# Altium PCB Soldermask_new.PcbDoc (part 1 of 4)
Units mm, origin at the board's own origin, x right, y up, seen from the top; angles counter-clockwise.
Board outline 56.52 x 96.27 mm, 2 copper layers (Top Layer, Bottom Layer); 83 components, 70 nets, 284 pads, 137 vias.
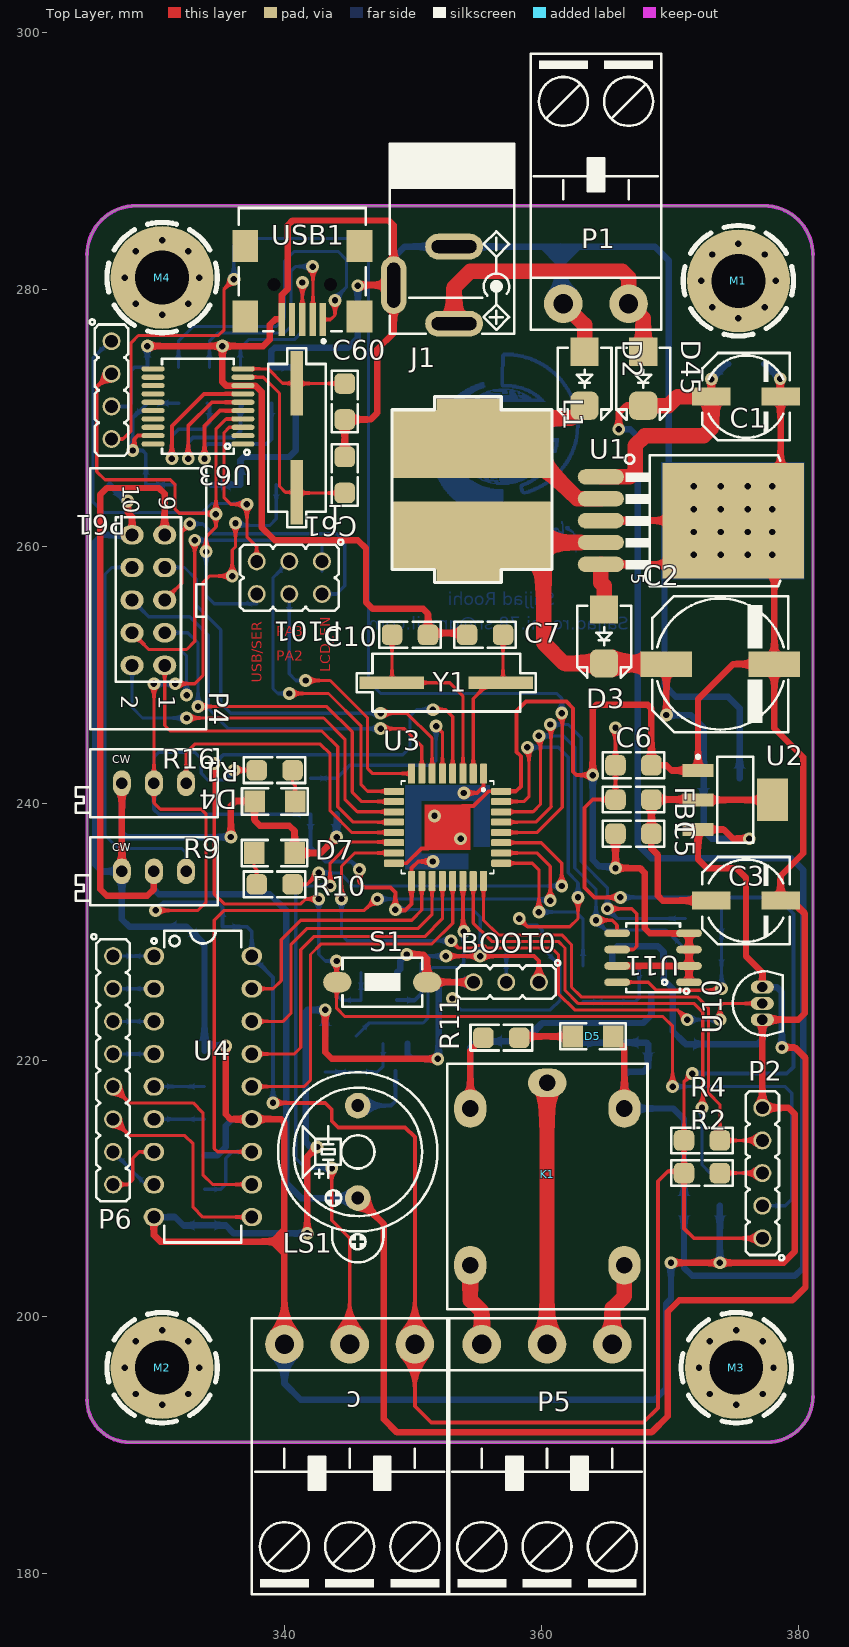
[diagram p0: Top Layer view]
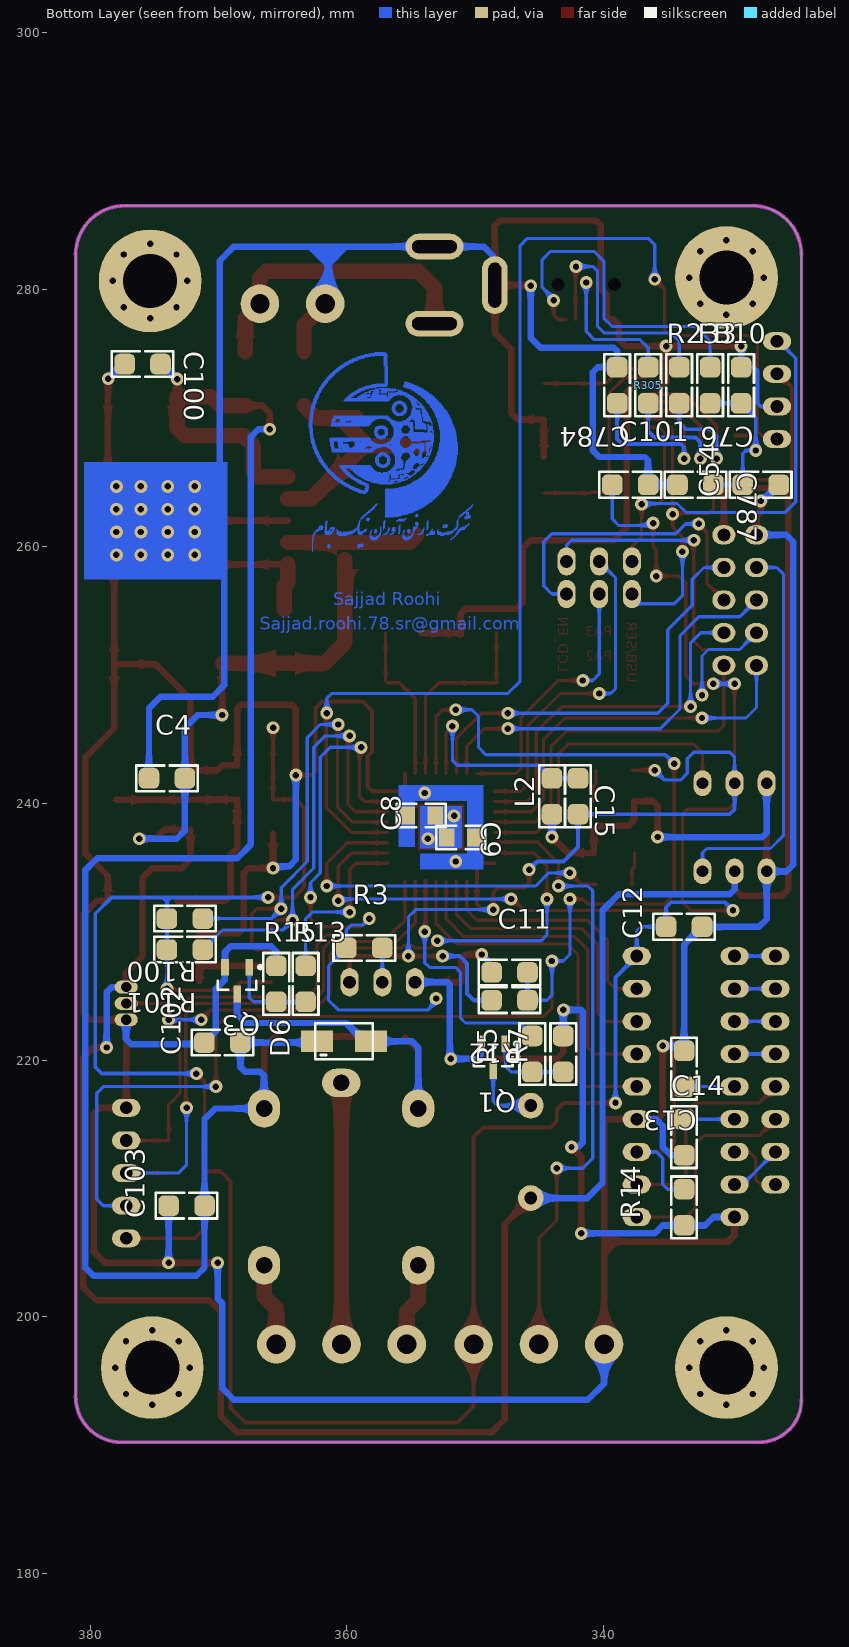
[diagram p1: Bottom Layer view, seen from below]

## Layer stack, top to bottom
Top Solder: solder mask 0.0102, Solder Resist, Dk 3.5
Top Layer: signal copper 0.0356
Dielectric 1: dielectric 0.32, FR-4, Dk 4.8
Bottom Layer: signal copper 0.0356
Bottom Solder: solder mask 0.0102, Solder Resist, Dk 3.5

## Board outline
324.612,193.548 ccw(c327.914,193.548) 327.914,190.246 377.571,190.246 ccw(c377.571,193.802) 381.127,193.802 381.127,282.702 ccw(c377.317,282.702) 377.317,286.512 328.422,286.512 ccw(c328.422,282.702) 324.612,282.702

## Design rules (kind name [scope] priority, off if disabled: settings)
Clearance [All] p1: gap=0.2
PolygonConnect [All] p1: connectstyle=Direct reliefconductorwidth=0.254 reliefentries=4 polygonreliefangle="90 Angle" airgapwidth=0.254
RoutingVias [All] p1: holewidth=0.5 width=1 viastyle="Through Hole" minholewidth=0.5 minwidth=1 maxholewidth=0.5 maxwidth=1
SolderMaskExpansion [All] p1: expansion=0.102
UnpouredPolygon [All] p1: allowunpoured=FALSE
Width [All] p1: maxlimit=1.2 minlimit=0.25 preferedwidth=0.5
29 further rules are at their usual default settings.

## Components (designator, comment, footprint, x,y, rotation, side; value= is the part's Value field where it differs from the comment)
1 "12Mhz" xtal_smd 340.995,268.478 r270 top
BOOT0 "Header 3" HDR_M_1x3 357.251,226.06 r180 top
c "Header 3" mstbf_3 345.059,197.866 r180 top
C1 "100uF" C_EL_6_4 375.92,271.653 r0 top
C2 "1000uF" C_EL_10_10 373.92,250.825 r0 top
C3 "100uF" C_EL_6_4 375.92,232.41 r0 top
C4 "100nF" c1206s 374.015,241.935 r180 bottom
C5 "100nF" c1206s 367.157,237.617 r0 top
C6 "100nF" c1206s 367.157,242.951 r180 top
C7 "18pF" c1206s 355.6,253.111 r180 top
C8 "Cap" smd_805 354.203,239.014 r90 bottom
C9 "Cap" smd_805 351.155,237.363 r270 bottom
C10 "18pF" c1206s 349.758,253.111 r0 top
C11 "100nF" c1206s 347.345,226.822 r180 bottom
C12 "Cap" c1206s 333.756,230.378 r0 bottom
C13 "Cap" c1206s 333.756,219.329 r270 bottom
C14 "Cap" c1206s 333.756,213.995 r90 bottom
C15 "Cap" c1206s 344.043,240.538 r270 bottom
C54 "100nF" c1206s 327.787,264.795 r0 bottom
C60 "Cap" c1206s 344.678,271.272 r90 top
C61 "Cap" c1206s 344.678,265.557 r270 top
C76 "47nF" c1206s 329.311,272.542 r270 bottom
C100 "100nF" c1206s 375.92,274.193 r180 bottom
C101 "100nF" c1206s 337.947,264.795 r180 bottom
C102 "Cap" C1206s 369.697,221.361 r0 bottom
C103 "Cap" C1206s 372.491,208.661 r0 bottom
C784 "100nF" c1206s 338.963,272.542 r270 bottom
C787 "10nF" c1206s 332.867,264.795 r180 bottom
D2 "SM5822" D_SMB 363.347,273.05 r270 top
D3 "SMBJ 5V" D_SMB 364.871,252.984 r270 top
D4 "LED1" led_1206 339.217,240.157 r90 top
D5 "LED0" LED_1206 363.982,221.869 r90 top
D6 "1N4148" tvs 360.299,221.488 r90 bottom
D7 "LED1" led_1206 339.217,236.093 r270 top
D45 "SM5822" D_SMB 367.919,273.05 r270 top
FB1 "FERRIT" R1206s 367.157,240.284 r0 top
FB10 "FERRIT" c1206s 331.724,272.542 r90 bottom
J1 "DC_POWER_JACK" JAC_PWR2 353.187,277.337 r0 top
K1 "Relay" RELAY_12V 360.299,210.693 r270 top
L1 "100uH" INDUC_SMD 354.838,264.414 r270 top
L2 "Inductor" R1206s 342.011,240.538 r90 bottom
LS1 "BUZZER" bz_c12 345.694,212.852 r90 top
M1 "DNP/MH" scmh_m4 375.327,280.67 r0 top
M2 "DNP/MH" scmh_m4 330.454,196.051 r0 top
M3 "DNP/MH" scmh_m4 375.158,196.051 r0 top
M4 "DNP/MH" scmh_m4 330.454,280.924 r0 top
P1 "Header 2" mstbf_2 364.236,278.892 r0 top
P2 "Header 5" HDR_M_1x5 377.19,211.201 r90 top
P4 "Header 5X2" BOX_2X5 329.311,255.778 r270 top
P5 "Header 3" mstbf_3 360.426,197.866 r180 top
P6 "Header 8" HDR_M_1x8 326.644,219.202 r270 top
P61 "Header 4" HDR_M_1x4 326.517,272.161 r270 top
P101 "Header 3X2" HDR_M_2x3 340.36,257.556 r180 top
Q1 "BC817" SOT23 348.615,220.345 r0 bottom
Q3 "BC817" SOT23 368.554,226.314 r0 bottom
R1 "Res1" R1206s 339.217,242.57 r180 top
R2 "Res1" R1206s 372.491,211.201 r0 top
R3 "Res1" R1206s 358.648,228.727 r180 bottom
R4 "Res1" R1206s 372.491,213.741 r0 top
R5 "Res1" R1206s 345.567,220.472 r90 bottom
R7 "Res1" R1206s 343.154,220.472 r90 bottom
R9 "RPot" pot_3296x 329.819,234.696 r0 top
R10 "Res1" R1206s 339.217,233.68 r0 top
R11 "Res1" R1206s 356.87,221.742 r180 top
R12 "10K" R1206s 347.345,224.663 r0 bottom
R13 "Res1" R1206s 363.22,225.933 r90 bottom
R14 "Res1" R1206s 333.756,208.534 r90 bottom
R15 "Res1" R1206s 365.506,225.933 r90 bottom
R16 "RPot" pot_3296x 329.819,241.554 r0 top
R100 "4.7K" R1206s 372.618,231.013 r0 bottom
R101 "4.7K" R1206s 372.618,228.6 r0 bottom
R233 "Res1" R1206 334.137,272.542 r90 bottom
R305 "Res1" R1206 336.55,272.542 r90 bottom
S1 "SW-PB" swpbs_spst_6x3x5 347.599,226.06 r180 top
U1 "LM2576HVT-5.0" D2PAK_5 364.617,262.001 r270 top
U2 "AMS1117-3.3" SOT223 375.031,240.284 r270 top
U3 "STM32F030K6T6" pcbcomponent_1 348.996,234.569 r0 top
U4 "74C922" DIP_18 333.629,217.932 r0 top
U10 "LM35" TO92_3 377.19,224.409 r90 top
U11 "24C512" so_8 368.681,227.965 r180 top
U63 "CH340T" SOG65_20_W 333.248,270.891 r180 top
USB1 "MICRO_USB" MINI_USB 341.503,280.416 r0 top
Y1 "8Mhz" xtal_smd 352.552,249.428 r0 top

## Footprints (in the part's own frame and the unit in brackets; to place one, negate y for a bottom-side part, rotate by r counter-clockwise, add the part's x,y. Pads: shape width x height; smd on the part's side, far side on the other; paste and mask are expansions set on the pad)
BOX_2X5 [mm]
  oval 1.5x1.8 hole 1: 1(5.047,1.346) 2(5.047,-1.194) 3(2.507,1.346) 4(2.507,-1.194) 5(-0.033,1.346) 6(-0.033,-1.194) 7(-2.573,1.346) 8(-2.573,-1.194) 9(-5.113,1.346) 10(-5.113,-1.194)
  silkscreen extent -10.29,-4.45 10.03,4.57, body extent -10.41,-4.57 10.16,4.7, height 8
bz_c12 [mm] "BUZZER 12mm DIA, 8.5mm Height , 7.62mm pitch"
  round 2 hole 1: 1(-3.6,0) 2(3.6,0)
  silkscreen extent -8.6,-6.2 6.2,6.2, body extent -6,-6 6,6, height 9.5
c1206s [mm] "CHIP Capacitor, 3.2X1.6mm, 1206, soldered"
  rrect50% 1.6x1.6 smd paste-5 mask+0.075: 1(-1.4,0) 2(1.4,0)
  Top Layer pour cut-out: -0.8,1 -0.8,-1 0.8,-1 0.8,1
  silkscreen extent -2.4,-1 2.4,1, body extent -2.27,-0.8 2.27,0.8, height 1.25
C1206s [mm] "CHIP Capacitor, 3.2X1.6mm, 1206, soldered"
  rrect50% 1.6x1.6 smd paste-5 mask+0.075: 1(-1.4,0) 2(1.4,0)
  Top Layer pour cut-out: -0.8,1 -0.8,-1 0.8,-1 0.8,1
  silkscreen extent -2.4,-1 2.4,1, body extent -2.27,-0.8 2.27,0.8, height 1.25
C_EL_6_4 [mm] "Electrolytic Cap, D: 6.3mm L: 3.9mm, Size D"
  rect 3x1.4 smd: 1(-2.7,0) 2(2.7,0)
  Top Layer pour cut-out: 1.905,3.175 1.905,-3.175 -1.905,-3.175 -1.905,3.175
  silkscreen extent -3.4,-3.4 3.4,3.4, body extent -3.59,-3.3 3.41,3.3, height 3.91
C_EL_10_10 [mm] "Electrolytic Cap, 10.3mm, L: 10mm"
  rect 4x2 smd: 1(-4.2,0) 2(4.2,0)
  Top Layer pour cut-out: -3.556,5.08 -3.556,-5.08 3.556,-5.08 3.556,5.08
  silkscreen extent -5.3,-5.3 5.3,5.3, body extent -5.9,-5.25 5.9,5.25, height 10.5
D2PAK_5 [mm] "TO-263-5L, D2PAK-5, DDPAK, FMG170_5_S1000"
  oval 1.2x3.6 smd: 1(-3.404,0) 2(-1.702,0) 3(0,0) 4(1.702,0) 5(3.404,0)
  rect 9x11 smd paste-6: 6(0,10.3)
  silkscreen extent -5.14,1.88 5.1,13.96, body extent -5.08,-0.84 5.08,13.39, height 4.87
D_SMB [mm] "SMB Molded Diode, 2-Leads, Body 4.3x3.5mm"
  rect 2.2x2.2 smd paste-0.1: 1(-2.1,0)
  rrect50% 2.2x2.2 smd paste-0.1: 2(2.1,0)
  Top Layer pour cut-out: -1.524,2.1 -1.524,-2.1 1.524,-2.1 1.524,2.1
  silkscreen extent -2.4,-2.1 3.2,2.1, body extent -2.75,-1.95 2.75,1.95, height 2.45
DIP_18 [mm] "DIP, pitch 2.54mm, 300mil Width"
  oval 1.6x1.4 / inner round 1.4 / far side oval 2.2x1.4 hole 1: 1(-3.81,10.16) 2(-3.81,7.62) 3(-3.81,5.08) 4(-3.81,2.54) 5(-3.81,0) 6(-3.81,-2.54) 7(-3.81,-5.08) 8(-3.81,-7.62) 9(-3.81,-10.16) 10(3.81,-10.16) 11(3.81,-7.62) 12(3.81,-5.08) 13(3.81,-2.54) 14(3.81,0) 15(3.81,2.54) 16(3.81,5.08) 17(3.81,7.62) 18(3.81,10.16)
  silkscreen extent -4,-12.14 3,12.14, body extent -3.93,-11.5 3.94,11.5, height 5.08
HDR_M_1x3 [mm] "Connector; Header; 3 Position"
  round 1.4 / inner round 1.4 / far side oval 1.4x2.2 hole 1 mask+0.1: 1(-2.54,0) 2(0,0) 3(2.54,0)
  silkscreen extent -4.2,-1.7 3.84,1.3, body extent -3.78,-1.27 3.84,1.27, height 8.54
HDR_M_1x4 [mm] "Connector; Header; 4 Position"
  round 1.4 / inner round 1.4 / far side oval 1.4x2.2 hole 1 mask+0.1: 1(-3.81,0) 2(-1.27,0) 3(1.27,0) 4(3.81,0)
  silkscreen extent -5.5,-1.7 5.11,1.3, body extent -5.08,-1.27 5.08,1.27, height 8.54
HDR_M_1x5 [mm] "Connector; Header; 5 Position"
  round 1.4 / inner round 1.4 / far side oval 1.4x2.2 hole 1 mask+0.1: 1(-5.08,0) 2(-2.54,0) 3(0,0) 4(2.54,0) 5(5.08,0)
  silkscreen extent -6.8,-1.7 6.38,1.3, body extent -6.35,-1.27 6.35,1.27, height 8.54
HDR_M_1x8 [mm] "Connector; Header; 8 Position"
  round 1.4 / inner round 1.4 / far side oval 1.4x2.2 hole 1 mask+0.1: 1(-8.89,0) 2(-6.35,0) 3(-3.81,0) 4(-1.27,0) 5(1.27,0) 6(3.81,0) 7(6.35,0) 8(8.89,0)
  silkscreen extent -10.6,-1.7 10.19,1.3, body extent -10.16,-1.3 10.16,1.19, height 8.54
HDR_M_2x3 [mm] "Connector; Header; 3x2 Position"
  round 1.4 / inner round 1.4 / far side oval 1.4x2.2 hole 1 mask+0.1: 1(-2.54,-1.27) 2(-2.54,1.27) 3(0,-1.27) 4(0,1.27) 5(2.54,-1.27) 6(2.54,1.27)
  silkscreen extent -4.2,-2.97 3.84,2.57, body extent -3.81,-2.6 3.81,2.48, height 8.38
INDUC_SMD [mm]
  rect 2x5 smd: 1(-6.096,-0.508) 2(6.096,-0.508)
  rect 5.3x12.4 smd: 1(-3.556,-0.254) 2(3.556,-0.254)
  silkscreen extent -7.23,-6.48 7.24,5.97
JAC_PWR2 [mm] "DC POWER JACK, Power Jack KLDX-0202"
  oval 4.5x2 hole 1 slot 3.5 at 0 deg: 1(0,0) 2(0,6)
  oval 2x4.5 hole 1 slot 3.5 at 90 deg: 3(-4.7,3)
  silkscreen extent -5,-0.8 4.7,14, body extent -4.9,-0.65 4.5,13.85, height 10.8
led_1206 [mm]
  rect 1.7x1.6 smd: 1(-0.025,-1.6) 2(-0.025,1.563)
  Top Layer pour cut-out: 1.092,2.591 -1.143,2.591 -1.194,2.54 -1.194,-2.692 1.092,-2.692
  silkscreen extent -1.04,-2.57 0.99,2.54, body extent -0.81,-1.68 0.79,1.68, height 1.1
LED_1206 [mm]
  rect 1.7x1.6 smd: 1(-0.025,-1.6) 2(-0.025,1.563)
  Top Layer pour cut-out: 1.092,2.591 -1.143,2.591 -1.194,2.54 -1.194,-2.692 1.092,-2.692
  silkscreen extent -1.04,-2.57 0.99,2.54, body extent -0.81,-1.68 0.79,1.68, height 1.1
MINI_USB [mm]
  rect 0.5x2.6 smd mask+0.04: 1(1.468,-2.753) 2(0.668,-2.753) 3(-0.132,-2.753) 4(-0.932,-2.753) 5(-1.732,-2.753)
  rect 2x2.5 smd: 6(-4.582,-2.526) 7(-4.582,2.974) 8(4.318,-2.526) 9(4.318,2.974)
  round 0.6 hole 1 unplated: MH1(-2.332,-0.026) MH2(2.068,-0.026)
  silkscreen extent -5.08,-4.57 4.82,5.92, body extent -5.08,-3.38 4.82,5.87, height 3.93
mstbf_2 [mm] "PHOENIX MSTB 2, 5-G, 5.08mm pitch, 2pin"
  round 3 hole 1.5: 1(-2.54,0) 2(2.54,0)
  silkscreen extent -5.08,-2.03 5.08,19.47, body extent -5,-2 5,19.2, height 15
mstbf_3 [mm] "PHOENIX MSTB 2, 5-G, 5.08mm pitch, 3pin"
  round 3 hole 1.5: 1(-5.08,0) 2(0,0) 3(5.08,0)
  silkscreen extent -7.62,-2.03 7.62,19.47, body extent -7.5,-2 7.5,19.2, height 15
pcbcomponent_1 [mm]
  rrect25% 0.55x1.56 smd: 1(6.483,7.736) 2(5.683,7.736) 3(4.883,7.736) 4(4.083,7.736) 5(3.283,7.736) 6(2.483,7.736) 7(1.683,7.736) 8(0.883,7.736) 17(0.883,-0.624) 18(1.683,-0.624) 19(2.483,-0.624) 20(3.283,-0.624) 21(4.083,-0.624) 22(4.883,-0.624) 23(5.683,-0.624) 24(6.483,-0.624)
  rrect25% 1.56x0.55 smd: 9(-0.497,6.356) 10(-0.497,5.556) 11(-0.497,4.756) 12(-0.497,3.956) 13(-0.497,3.156) 14(-0.497,2.356) 15(-0.497,1.556) 16(-0.497,0.756) 25(7.863,0.756) 26(7.863,1.556) 27(7.863,2.356) 28(7.863,3.156) 29(7.863,3.956) 30(7.863,4.756) 31(7.863,5.556) 32(7.863,6.356)
  silkscreen extent 0.08,-0.04 7.28,7.16, body extent -0.82,-0.87 8.18,8.13, height 1.73
pot_3296x [mm] "POT, TRIM, 10.0X5.0mm, pitch: 2.5mm, MURATA, PV36X 3296X"
  oval 1.4x2 / inner round 1.2 / far side oval 1.4x2 hole 0.9: 1(-2.5,0) 2(0,0) 3(2.5,0)
  silkscreen extent -6.1,-2.64 4.95,2.64, body extent -6.1,-2.5 4.8,2.5, height 10
R1206 [mm] "CHIP RESISTOR 1/4 WATT, Body 3.2x1.6mm,1206, 3216"
  rrect50% 1.6x1.6 smd paste-5 mask+0.075: 1(-1.4,0) 2(1.4,0)
  Top Layer pour cut-out: -0.8,1 -0.8,-1 0.8,-1 0.8,1
  silkscreen extent -2.4,-1 2.4,1, body extent -1.67,-0.87 1.68,0.86, height 0.85
R1206s [mm] "CHIP RESISTOR 1/4 WATT, Body 3.2x1.6mm,1206, 3216, soldered"
  rrect50% 1.6x1.6 smd paste-5 mask+0.075: 1(-1.4,0) 2(1.4,0)
  Top Layer pour cut-out: -0.8,1 -0.8,-1 0.8,-1 0.8,1
  silkscreen extent -2.4,-1 2.4,1, body extent -2.27,-0.8 2.27,0.8, height 1.25
RELAY_12V [mm]
  oval 2.2x3 hole 1.3: 1(-7.533,0.151)
  oval 3x2.5 hole 1.3: 2(6.667,6.151) 3(6.667,-5.849) 4(-5.533,-5.849) 5(-5.533,6.151)
  silkscreen extent -9.02,-7.65 10.08,7.95, body extent -8.92,-7.62 10.18,7.88, height 15.3
scmh_m4 [mm] "SCREW mouting, M4, 4mm diameter and 8.0mm PanHead"
  round 8 / inner round 4.5 / far side round 8 hole 4.2 mask+0.1: 1(0,0)
  Top Layer pour cut-out: 0,4.5 -1.722,4.158 -3.182,3.182 -4.157,1.722 -4.5,0 -4.5,0 -4.157,-1.722 -3.182,-3.181 -1.722,-4.157 0,-4.499 0,-4.499 2.25,-3.896 3.897,-2.249 4.499,0 4.499,0 4.157,1.722 3.182,3.182 1.722,4.157 0,4.5
  Bottom Layer pour cut-out: 0,4.5 -1.722,4.158 -3.182,3.182 -4.157,1.722 -4.5,0 -4.5,0 -4.157,-1.722 -3.182,-3.181 -1.722,-4.157 0,-4.499 0,-4.499 2.25,-3.896 3.897,-2.249 4.499,0 4.499,0 4.157,1.722 3.182,3.182 1.722,4.157 0,4.5
  silkscreen extent -4.3,-4.3 4.3,4.3
smd_805 [mm]
  rect 1.4x1.2 smd: 1(0.025,1.118) 2(0.025,-1.067)
  Top Layer pour cut-out: -0.991,2.007 1.016,2.007 1.016,-1.956 1.041,-1.981 -0.991,-1.981
  silkscreen extent -0.89,-1.88 0.94,1.93, body extent -0.66,-1.07 0.71,1.14, height 1.1
so_8 [mm] "SOP-8, 5x3.9mm body 1.27mm pitch, SOT96-1, M08A, S8, SOIC8, VO8, MS-012AA(JEDEC), R-8, 8S2, VOG8"
  oval 2x0.6 smd: 1(-2.8,1.905) 2(-2.8,0.635) 3(-2.8,-0.635) 4(-2.8,-1.905) 5(2.8,-1.905) 6(2.8,-0.635) 7(2.8,0.635) 8(2.8,1.905)
  silkscreen extent -2.8,-2.7 2.1,2.8, body extent -3,-2.45 3,2.45, height 1.7
SOG65_20_W [mm] "SSOP20, TSSOP20, RU-20, RQ-20, DB, pitch: 0.65mm, 7X5.3mm, QSP, SOT339-1, SOT266-1, AT-260, TSSO6X6-G20, NP20, MO-153AC, MO-150AE, MO-137-AD, MO-152"
  oval 1.8x0.4 smd mask+0.075: 1(-3.5,2.925) 2(-3.5,2.275) 3(-3.5,1.625) 4(-3.5,0.975) 5(-3.5,0.325) 6(-3.5,-0.325) 7(-3.5,-0.975) 8(-3.5,-1.625) 9(-3.5,-2.275) 10(-3.5,-2.925) 11(3.5,-2.925) 12(3.5,-2.275) 13(3.5,-1.625) 14(3.5,-0.975) 15(3.5,-0.325) 16(3.5,0.325) 17(3.5,0.975) 18(3.5,1.625) 19(3.5,2.275) 20(3.5,2.925)
  silkscreen extent -4.01,-3.7 2.8,3.77, body extent -3.95,-3.66 3.95,3.67, height 1.98
SOT23 [mm]
  rect 0.6x1.3 smd: 1(-0.95,-0.923) 2(0.95,-0.923) 3(0,1.177)
  silkscreen extent -1.92,-1.05 1.5,0.83, body extent -1.5,-0.57 1.5,0.83, height 1.1
SOT223 [mm]
  rect 1x2.4 smd: 1(-2.269,-2.85) 2(0.031,-2.85) 3(2.331,-2.85)
  rect 3.3x2.4 smd: 2(0.031,2.95)
  silkscreen extent -3.44,-2.97 3.38,1.45, body extent -3.21,-3.44 3.27,3.54, height 1.64
swpbs_spst_6x3x5 [mm] "SWITCH, PUSHBUTTON, SMD, SPST, 6X3.5mm, SKQMBBE010, 50000 Cycles, 1.57N Force"
  oval 2.2x1.6 smd mask+0.1: 1(-3.5,0) 2(3.5,0)
  silkscreen extent -3.1,-1.9 3.1,1.9, body extent -3.65,-1.75 3.65,1.75, height 5
TO92_3 [mm] "TO-92, SOT54"
  oval 1x1.8 hole 0.8 mask+0.1: 1(-1.27,0) 2(0,0) 3(1.27,0)
  silkscreen extent -2.5,-1.59 2.5,2.3, body extent -2.38,-1.45 2.38,2.18, height 4.82
tvs [mm]
  rect 1.7x2.5 smd: 1(-0.025,-2.159) 2(-0.025,2.032)
  silkscreen extent -1.42,-2.32 1.38,2.18, body extent -1.5,-2.76 1.42,2.74, height 2.23
xtal_smd [mm]
  rect 5x1 smd: 1(-4.216,-0.051) 2(4.267,-0.051)
  silkscreen extent -6.93,-2.29 6.98,2.21, body extent -6.37,-2.44 6.43,2.39, height 4.3

## Part data
1 Y1: library part XTAL, "Crystal Oscillator"
BOOT0 c P5: "Header, 3-Pin"
C1 C2 C3: library part "Cap Pol1", "Polarized Capacitor (Radial)"
C4 C5 C6 C7 C10 C11 C54 C76 C100 C101 C784 C787: library part Cap, "Capacitor"
C8 C9 C12 C13 C14 C15 C60 C61 C102 C103: "Capacitor"
D2 D3 D45: library part "Diode 11DQ03", "Schottky Rectifier"
D4 D7: "Typical RED GaAs LED"
D5: "Typical INFRARED GaAs LED"
D6: library part Diode, "Default Diode"
FB1 FB10: library part "Fuse 1", "Fuse"
J1: library part CONN_PWR_JACKR2, "CONN, PWR JACK DC, PLUG DIAM 2.0MM RA THD"
K1: "SPDT Relay"
L1: library part Inductor, "Inductor"
LS1: library part Speaker, "Loudspeaker"
M1 M2 M3 M4: library part PSPMH3, "Plastic Spacer mouting, Hole 3mm"
P1: "Header, 2-Pin"
P2: "Header, 5-Pin"
P4: "Header, 5-Pin, Dual row"
P6: "Header, 8-Pin"
P61: "Header, 4-Pin"
P101: "Header, 3-Pin, Dual row"
Q1 Q3: library part 2N3904, "NPN General Purpose Amplifier"
R1 R2 R3 R4 R5 R7 R10 R11 R13 R14 R15 R233 R305: "Resistor"
R9 R16: "Potentiometer"
R12 R100 R101: library part Res1, "Resistor"
S1: "Switch"
U1: "SIMPLE SWITCHER; 3A Step-Down Voltage Regulator"
U2: library part LD1117DT33
U3: "ARMA® CortexA®-M0 STM32F0 Microcontroller IC 32-Bit 48MHz 32KB _32K x 8_ FLASH 32-LQFP _7x7_"
U4: library part Component_1
U10: library part TMP_LM35_TO92, "SENSOR, TEMP, ANALOG, -55~150oC, 4~20Vcc, Out 0mV + 10mV/oC"
U11: library part 24Cxx
U63: library part CH340T_SSOP20, "USB-UART"

## Via types
v1: diameter 1, hole 0.5, Top Layer to Bottom Layer, tented both sides, 102 vias
v2: diameter 0.8, hole 0.5, Top Layer to Bottom Layer, tented both sides, 32 vias
v3: diameter 1, hole 0.5, Top Layer to Bottom Layer, 3 vias

## Nets (pads, with @x,y where several pads share a name; then routed paths per layer and width w, separated by ;. In a path a pad name is that pad's centre, name@x,y a point inside that pad or via, vN(x,y) a via of type N, cw(c..) or ccw(c..) an arc to the next point about the centre after c; other vN are vias at no path point)
3V3: BOOT0.1 C6.2 C8.1 C9.1 C12.2 C101.1 c.1 FB1.1 L2.1 P2.1 R1.2 R2.1 R4.1 R12.2 R16.2 R100.2 R101.2 U3.1 U3.17 U4.18 U11.8 | length 306.1
  Top Layer w0.25: v1(329.819,249.301) R16.2@329.819,241.554 329.819,240.03 330.327,239.522 333.502,239.522 333.883,239.141 333.883,232.283 333.248,231.648 v1(329.946,231.648) ; v1(331.482,249.301) 332.994,249.301 333.629,249.936 333.629,257.175 334.137,257.683 v1(335.915,257.683) 335.915,259.715 336.169,259.969 v1(336.169,261.81) ; v1(336.042,242.57) R1.2@337.817,242.57 ; U11.8@365.881,226.06 368.3,226.06 368.925,225.435 373.898,225.435 v1(374.015,225.552) ; R4.1@371.091,213.741 371.091,218.31 v1(371.729,218.948)
  Top Layer w0.3: v1(339.09,216.662) 343.154,216.662 343.662,216.154 343.662,215.265 344.17,214.757 349.377,214.757 350.139,213.995 c.1@350.139,197.866 350.139,193.04 351.409,191.77 367.919,191.77 369.062,192.913 369.062,210.566 369.824,211.328 370.964,211.328 R2.1@371.091,211.201 ; v1(345.821,234.823) 345.821,233.807 346.202,233.426 348.234,233.426 348.615,233.045 v1(348.615,231.711) 348.678,231.648 349.377,231.648 349.879,232.15 U3.17@349.879,233.945 349.879,234.943 350.394,235.458 v1(351.536,235.458) ; v1(352.552,228.092) v1(355.219,228.092) 359.41,228.092 359.791,227.711 BOOT0.1@359.791,226.06 ; v1(353.949,240.792) 354.965,240.792 355.479,241.306 U3.1@355.479,242.305 ; v1(365.757,245.869) C6.2@365.757,242.951 FB1.1@365.757,240.284 363.982,240.284 363.347,239.649 363.347,233.426 364.109,232.664 v1(366.141,232.664) ; R4.1@371.091,213.741 R2.1@371.091,211.201 ; P2.1@377.19,206.121 371.856,206.121 371.091,206.886 R2.1@371.091,211.201
  Bottom Layer w0.25: R16.2@329.819,241.554 329.819,243.586 330.2,243.967 332.994,243.967 333.502,243.459 333.502,242.316 334.01,241.808 335.28,241.808 v1(336.042,242.57) ; v1(329.819,249.301) v1(331.482,249.301) ; v1(336.169,261.81) 336.359,261.62 338.836,261.62 339.347,262.131 C101.1@339.347,264.795 ; v1(348.615,231.711) 354.648,231.711 355.219,231.14 v1(355.219,228.092) ; v1(374.015,225.552) 374.015,225.304 374.018,225.301 R101.2@374.018,228.6 R100.2@374.018,231.013 374.018,232.661 374.015,232.664
  Bottom Layer w0.3: R16.2@329.819,241.554 329.819,239.522 330.203,239.138 L2.1@342.011,239.138 342.011,236.601 343.154,235.458 345.186,235.458 v1(345.821,234.823) ; v1(329.946,231.648) 330.581,232.283 334.772,232.283 335.156,231.899 C12.2@335.156,230.378 337.058,230.378 337.439,229.997 U4.18@337.439,228.092 339.09,226.441 v1(339.09,216.662) ; R12.2@348.745,224.663 350.139,224.663 350.647,225.171 350.647,227.52 351.219,228.092 v1(352.552,228.092) ; v1(366.141,232.664) 374.015,232.664 378.333,232.664 379.603,231.394 379.603,219.456 379.095,218.948 v1(371.729,218.948) ; P2.1@377.19,206.121 P2.1@377.268,206.199
3V3A: C15.1 L2.2 U3.5 | length 16.9
  Top Layer w0.25: v1(351.79,245.999) 352.279,245.51 U3.5@352.279,242.305
  Bottom Layer w0.25: L2.2@342.011,241.938 C15.1@344.043,241.938 345.056,242.951 351.409,242.951 351.79,243.332 v1(351.79,245.999)
5V0: C2.1 C4.2 D3.2 L1.2 LS1.1 P4.9 R9.2 U1.4 U2.3 U10.3 | length 237.8
  Top Layer w0.5: R9.2@329.819,234.696 329.819,233.299 329.311,232.791 326.136,232.791 325.628,233.299 325.628,264.033 326.136,264.541 330.2,264.541 330.657,264.084 P4.9@330.657,260.891 ; LS1.1@345.694,209.252 347.726,207.22 347.726,192.024 348.742,191.008 368.554,191.008 369.824,192.278 369.824,200.406 370.713,201.295 379.534,201.295 380.55,202.311 380.55,220.16 379.73,220.98 v1(378.714,220.98) ; v1(369.72,246.865) C2.1@369.72,250.825 ; v1(376.174,237.236) 374.904,237.236 374.187,237.953 U2.3@372.181,237.953 372.181,235.641 372.872,234.95 375.158,234.95 375.92,234.188 375.92,228.092 377.19,226.822 U10.3@377.19,225.679
  Top Layer w1.2: L1.2@354.584,260.858 355.143,260.299 U1.4@364.617,260.299 ; L1.2@360.172,258.953 360.172,252.476 361.764,250.884 D3.2@364.871,250.884 C2.1@369.661,250.884
  Bottom Layer w0.5: R9.2@329.819,234.696 329.819,233.299 330.2,232.918 338.836,232.918 340.106,231.648 340.106,210.439 341.293,209.252 LS1.1@345.694,209.252 ; v1(369.72,246.865) 371.625,246.865 372.615,245.875 C4.2@372.615,241.935 372.615,237.874 373.253,237.236 v1(376.174,237.236) ; U10.3@377.19,225.679 378.333,225.679 378.714,225.298 v1(378.714,220.98)
ANALOG0: R16.3 U3.13 | length 24.3
  Top Layer w0.25: R16.3@332.319,241.554 332.319,243.927 332.994,244.602 342.773,244.602 343.535,243.84 343.535,239.395 345.205,237.725 U3.13@348.499,237.725
ANALOG1: c.2 U3.14 | length 48.4
  Top Layer w0.25: v1(343.535,233.553) 343.535,235.33 345.187,236.982 U3.14@348.442,236.982 ; v1(343.662,211.582) 343.662,207.518 345.059,206.121 c.2@345.059,197.866
  Bottom Layer w0.25: v1(343.535,233.553) 341.249,233.553 340.868,233.172 340.868,212.344 341.63,211.582 v1(343.662,211.582)
ANALOG2: U3.15 U10.2 | length 48.9
  Top Layer w0.25: v1(344.424,232.537) 344.424,235.077 345.472,236.125 U3.15@348.499,236.125 ; v1@353.187,228.981 352.957,229.211 v1(352.957,229.292) 353.522,228.727 354.687,228.727 354.877,228.917 355.561,228.917 355.751,228.727 360.807,228.727 361.315,228.219 361.315,225.171 362.585,223.901 370.586,223.901 v1(371.348,223.139) ; v1(373.888,223.139) 373.888,224.155 374.142,224.409 U10.2@377.19,224.409 U10.2@377.19,224.415
  Bottom Layer w0.25: v1(344.424,232.537) 344.424,229.743 344.875,229.292 v1(352.957,229.292) v1@352.887,229.362 ; v1(371.348,223.139) v1(373.888,223.139)
BOOT: R3.1 U3.31 | length 45.1
  Top Layer w0.25: U3.31@356.859,240.125 358.616,240.125 359.029,240.538 359.029,244.221 v1(358.902,244.348) ; v1(358.267,231.013) 358.902,230.378 362.204,230.378 362.839,231.013 v1(362.839,232.664)
  Bottom Layer w0.25: v1(353.06,224.79) 353.06,224.536 353.695,223.901 360.68,223.901 361.442,224.663 361.442,227.333 R3.1@360.048,228.727 360.048,230.121 359.664,230.505 358.775,230.505 v1(358.267,231.013) ; v1(358.902,244.348) 360.553,244.348 361.315,244.348 362.077,243.586 362.077,234.569 362.839,233.807 v1(362.839,232.664)
BUZZER: R5.2 U3.22 | length 19.2
  Top Layer w0.3: U3.22@353.879,233.945 353.879,230.067 v1(353.949,229.997)
  Bottom Layer w0.25: R5.2@345.567,221.872 346.58,222.885 350.774,222.885 351.155,223.266 351.155,226.822 351.536,227.203 353.568,227.203 353.949,227.584 v1(353.949,229.997)
C1: P6.5 U4.11 | length 16.8
  Top Layer w0.25: P6.5@326.644,217.932 327.914,216.662 332.867,216.662 333.629,215.9 333.629,211.074 334.391,210.312 U4.11@337.439,210.312
C2: P6.6 U4.10 | length 16.9
  Top Layer w0.25: P6.6@326.644,215.392 327.914,214.122 332.232,214.122 332.867,213.487 332.867,208.534 333.629,207.772 U4.10@337.439,207.772
C3: P6.7 U4.8 | length 3.6
  Bottom Layer w0.25: P6.7@326.644,212.852 U4.8@329.184,210.312
C4: P6.8 U4.7 | length 5.2
  Top Layer w0.25: P6.8@326.644,210.312 327.787,210.312 328.168,210.693 328.168,212.344 328.676,212.852 U4.7@329.819,212.852
DA: R14.2 U3.26 U4.12 | length 60.7
  Top Layer w0.25: U4.12@337.439,212.852 334.772,212.852 334.518,213.106 334.518,230.886 335.28,231.648 346.202,231.648 347.091,232.537 v1(347.218,232.537) ; U3.26@356.859,236.125 359.632,236.125 360.679,235.078 v1(360.68,232.41)
  Bottom Layer w0.25: R14.2@333.756,209.934 335.029,209.934 335.407,210.312 335.407,212.344 335.915,212.852 U4.12@337.439,212.852 ; v1(347.218,232.537) 360.553,232.537 v1(360.68,232.41)
GND: BOOT0.3 C1.2 C2.2 C3.2 C4.1 C5.1 C6.1 C7.2 C8.2 C9.2 C10.2 C11.1 C12.1 C13.1 C14.1 C15.2 C54.1 C60.1 C61.1 C76.1 C100.1 C101.2 C102.2 C103.2 C784.1 C787.1 c.3 D2.1 D3.1 D4.2 D7.2 J1.2 J1.3 P1.1 P2.5 P4.10 P61.3 Q1.2 Q3.2 R7.2 R9.1 R14.1 R15.2 R16.1 S1.1 U1.3 U1.5 U1.6 U2.1 U3.16 U3.32 U4.9 U4.13 U10.1 U11.1 U11.2 U11.3 U11.4 U11.7 U63.8 USB1.5 | length 661.6
  Top Layer w0.3: U3.16@348.499,235.325 349.498,235.325 350.647,236.474 351.155,236.474 ; 353.822,239.776 354.711,239.776 355.86,240.925 U3.32@356.859,240.925 358.019,240.925 358.394,241.3 358.394,243.654 358.052,243.996 358.052,247.181 358.775,247.904 361.95,247.904 362.458,247.396 362.458,242.443 362.712,242.189 v1(363.982,242.189)
  Top Layer w0.5: R9.1@327.319,234.696 R16.1@327.319,241.554 ; v1(327.786,263.525) 327.786,262.637 328.117,262.306 P4.10@328.117,260.891 ; v1(329.311,275.59) v1(335.153,275.59) ; U4.9@329.819,207.772 329.819,206.375 330.327,205.867 339.979,205.867 ; v1(335.407,221.107) 335.407,215.773 335.788,215.392 U4.13@337.439,215.392 339.725,215.392 339.979,215.138 339.979,205.867 ; v1(335.813,237.369) 335.813,239.801 336.169,240.157 337.629,240.157 D4.2@337.654,240.132 337.654,238.672 338.074,238.252 340.36,238.252 340.78,237.832 D7.2@340.78,236.118 342.798,236.118 v1(344.043,237.363) ; c.3@339.979,197.866 339.979,205.867 ; v1(341.757,206.502) 341.757,212.471 v1(342.519,213.233) ; v1(343.154,223.901) 343.154,220.599 343.662,220.091 v1(351.917,220.091) ; C61.1@344.678,266.957 C60.1@344.678,269.872 346.707,269.872 347.218,270.383 347.218,275.336 348.487,276.605 J1.3@348.487,280.337 ; v1(345.694,280.289) 345.742,280.337 J1.3@348.487,280.337 ; v1(349.504,228.219) 350.774,228.219 351.099,227.894 S1.1@351.099,226.06 BOOT0.3@354.711,226.06 ; C10.2@351.158,253.111 C10.2@351.158,253.238 ; C7.2@354.2,253.238 C10.2@351.158,253.238 ; v1(363.982,242.189) 363.982,247.357 364.275,247.65 368.264,247.65 368.557,247.357 C6.1@368.557,242.951 369.697,242.951 370.095,242.553 U2.1@372.181,242.553 372.181,248.102 374.904,250.825 C2.2@378.12,250.825 ; U1.5@364.617,258.597 U1.6@371.513,258.597 ; U1.3@364.617,262.001 U1.6@374.917,262.001 ; C5.1@365.757,237.617 365.758,237.616 365.758,234.952 v1(365.76,234.95) 367.665,234.95 368.046,234.569 368.046,230.251 368.427,229.87 U11.4@371.481,229.87 U11.3@371.481,228.6 U11.2@371.481,227.457 ; U11.7@366.008,227.33 U11.2@371.481,227.33 U11.1@371.481,226.187 ; v1(370.078,204.216) v1(373.888,204.216) 378.841,204.216 379.73,205.105 379.73,215.773 379.222,216.281 P2.5@377.19,216.281 U10.1@377.19,223.139 379.984,223.139 380.492,223.647 380.492,231.394 379.476,232.41 C3.2@378.62,232.41 378.62,234.348 380.365,236.093 380.365,243.586 378.12,245.831 C2.2@378.12,250.825 ; U1.6@378.12,258.798 C2.2@378.12,250.825 ; C1.2@378.59,271.683 v1(378.59,273.05) ; U1.6@378.62,265.704 C1.2@378.62,271.653 ; v1(335.153,275.59) 335.153,272.796 335.433,272.516 U63.8@336.748,272.516 337.719,272.516 338.201,272.034 338.201,261.493 339.217,260.477 345.694,260.477 346.329,259.842 346.329,255.651 346.837,255.143 350.774,255.143 351.158,254.759 C10.2@351.158,253.238 ; v1(335.153,275.59) 338.328,275.59 338.836,276.098 338.836,277.241 339.258,277.663 USB1.5@339.771,277.663 339.771,279.573 340.233,280.035 340.233,284.988 340.614,285.369 348.107,285.369 348.487,284.989 J1.3@348.487,280.337
  Top Layer w1.2: P1.1@361.696,278.892 363.347,277.241 D2.1@363.347,275.15 ; U1.5@364.617,258.597 364.617,257.175 364.871,256.921 D3.1@364.871,255.084
  Bottom Layer w0.3: P61.3@326.517,270.891 327.787,270.891 328.041,271.145 328.041,273.685 328.298,273.942 C76.1@329.311,273.942 v1(329.311,275.59)
  Bottom Layer w0.5: C54.1@326.387,264.795 327.657,263.525 v1(327.786,263.525) ; R16.1@327.319,241.554 327.319,237.704 327.66,237.363 335.808,237.363 v1(335.813,237.369) ; P4.10@328.117,260.891 325.788,260.891 325.247,260.35 325.247,235.204 325.755,234.696 R9.1@327.319,234.696 327.319,230.973 327.914,230.378 C12.1@332.356,230.378 333.756,228.978 C13.1@333.756,220.729 333.759,220.726 334.14,221.107 v1(335.407,221.107) ; U4.9@329.819,207.772 331.47,207.772 332.108,207.134 R14.1@333.756,207.134 335.41,207.134 336.042,206.502 v1(341.757,206.502) ; C14.1@333.756,212.595 334.769,212.595 335.407,213.233 335.407,214.884 335.915,215.392 U4.13@337.439,215.392 ; C787.1@334.267,264.795 C101.2@336.547,264.795 336.547,266.697 336.804,266.954 340.36,266.954 340.868,267.462 340.868,273.558 340.484,273.942 C784.1@338.963,273.942 338.963,275.209 339.217,275.463 344.932,275.463 345.694,276.225 v1(345.694,280.289) ; c.3@339.979,197.866 339.979,194.818 341.249,193.548 368.808,193.548 369.697,194.437 369.697,201.041 370.078,201.422 v1(370.078,204.216) ; v1(342.519,213.233) 342.011,213.233 341.63,213.614 341.63,223.755 341.776,223.901 v1(343.154,223.901) R7.2@343.154,221.872 ; v1(344.043,237.363) C15.2@344.043,239.138 ; J1.3@348.487,280.337 348.64,280.49 348.64,282.634 349.343,283.337 J1.2@353.187,283.337 361.442,283.337 ; C11.1@348.745,226.822 348.996,227.073 348.996,227.711 v1(349.504,228.219) ; Q1.2@349.565,221.268 349.565,220.411 349.885,220.091 v1(351.917,220.091) 351.984,220.158 351.984,225.873 352.171,226.06 BOOT0.3@354.711,226.06 ; P1.1@361.569,278.765 P1.1@361.696,278.892 361.442,279.146 361.442,283.337 ; v1(363.982,242.189) 363.982,235.585 364.49,235.077 365.506,235.077 365.633,234.95 v1(365.76,234.95) ; R15.2@365.506,227.333 365.506,228.473 365.887,228.854 369.062,228.854 369.504,228.412 Q3.2@369.504,227.237 369.504,226.253 370.205,225.552 370.205,222.253 C102.2@371.097,221.361 371.224,221.234 376.805,221.234 377.19,221.619 U10.1@377.19,223.139 ; 369.57,257.81 369.57,249.174 370.459,248.285 374.523,248.285 375.415,247.393 C4.1@375.415,241.935 C4.1@375.412,241.938 ; 370.078,265.684 369.916,265.846 369.916,282.229 368.808,283.337 361.442,283.337 ; v1(373.888,204.216) 373.889,204.217 373.889,208.659 C103.2@373.891,208.661 ; C100.1@377.32,274.193 377.447,274.193 v1(378.59,273.05)
  other v1: 353.695,237.236 351.663,239.014 371.856,259.334 373.952,259.334 376.047,259.334 377.952,259.334 371.856,261.112 373.952,261.112 376.047,261.112 377.952,261.112 371.856,262.89 373.952,262.89 376.047,262.89 377.952,262.89 371.856,264.668 373.952,264.668 376.047,264.668 377.952,264.668
K_A: U3.18 U4.17 | length 19.9
  Top Layer w0.25: U4.17@337.439,225.552 339.09,225.552 339.725,226.187 339.725,229.362 341.249,230.886 349.885,230.886 350.679,231.68 U3.18@350.679,233.945
K_B: U3.19 U4.16 | length 23.2
  Top Layer w0.25: U4.16@337.439,223.012 339.875,223.012 340.487,223.624 340.487,228.981 341.757,230.251 350.393,230.251 351.479,231.337 U3.19@351.479,233.945
K_C: U3.20 U4.15 | length 26.6
  Top Layer w0.25: U4.15@337.439,220.472 340.741,220.472 341.249,220.98 341.249,228.6 342.265,229.616 350.901,229.616 352.279,230.994 U3.20@352.279,233.945
K_D: U3.21 U4.14 | length 29.9
  Top Layer w0.25: U4.14@337.439,217.932 341.503,217.932 342.011,218.44 342.011,228.219 342.836,229.044 351.472,229.044 353.079,230.651 U3.21@353.079,233.945
LCD_D4: P4.4 P101.1 | length 33.7
  Top Layer w0.25: P4.4@328.117,253.271 329.42,251.968 332.359,251.968 332.994,252.603 v1(332.994,260.477)
  Bottom Layer w0.25: P4.4@328.117,253.271 329.42,251.968 331.851,251.968 332.359,251.46 v1(332.359,248.412) ; v1(332.994,260.477) 342.519,260.477 342.9,260.096 P101.1@342.9,258.064
LCD_D5: P4.3 U3.10 | length 28.9
  Top Layer w0.25: v1(333.248,247.523) 343.281,247.523 345.255,245.549 345.255,240.861 345.992,240.125 U3.10@348.499,240.125
  Bottom Layer w0.25: P4.3@330.657,253.271 332.453,253.271 333.248,252.476 v1(333.248,247.523)
LCD_D6: P4.2 U3.11 | length 29.8
  Top Layer w0.25: v1(332.359,246.634) 343.027,246.634 344.69,244.971 344.69,240.296 345.66,239.325 U3.11@348.499,239.325
  Bottom Layer w0.25: P4.2@328.117,250.731 328.117,247.447 328.93,246.634 v1(332.359,246.634)
LCD_D7: P4.1 U3.12 | length 28.4
  Top Layer w0.25: P4.1@330.657,250.731 330.657,246.05 331.089,245.618 342.9,245.618 344.124,244.394 344.124,239.73 345.329,238.525 U3.12@348.499,238.525
LCD_EN: P4.5 P101.2 | length 25.2
  Top Layer w0.25: P4.5@330.657,255.811 331.978,257.132 331.978,261.112 v1(332.613,261.747) v1@332.613,262.129
  Bottom Layer w0.25: v1(332.613,261.747) 333.629,261.747 334.391,260.985 344.043,260.985 344.678,260.35 344.678,256.921 344.043,256.286 P101.2@342.9,256.286
LCD_RS: P4.7 U3.6 | length 33.6
  Top Layer w0.25: v1(347.472,247.002) 349.517,247.002 351.479,245.04 U3.6@351.479,242.305
  Bottom Layer w0.25: P4.7@330.657,258.351 332.199,258.351 333.121,257.429 333.121,255.397 335.026,253.492 335.026,247.777 335.801,247.002 v1(347.472,247.002)
LCD_RW: P4.6 U3.7 | length 32.8
  Top Layer w0.25: v1(347.472,245.802) 349.32,245.802 350.679,244.443 U3.7@350.679,242.305
  Bottom Layer w0.25: P4.6@328.117,255.811 329.42,254.508 332.613,254.508 334.073,253.048 334.073,247.333 335.604,245.802 v1(347.472,245.802)
LED: R10.2 U3.27 | length 28.9
  Top Layer w0.25: R10.2@340.617,233.68 341.757,233.68 v1(342.646,234.569) ; U3.27@356.859,236.925 359.975,236.925 361.569,235.331 v1(361.569,233.553)
  Bottom Layer w0.25: v1(342.646,234.569) 344.297,234.569 345.313,233.553 v1(361.569,233.553)
MCU_RX: P61.1 P101.5 U63.3 | length 39.2
  Top Layer w0.25: U63.3@336.748,269.266 335.687,269.266 335.28,268.859 335.28,263.779 335.788,263.271 v3(337.058,263.271) 337.058,260.731 337.82,259.969 P101.5@337.82,258.826
  Bottom Layer w0.25: P61.1@326.39,275.971 325.064,274.645 325.064,263.454 325.882,262.636 333.605,262.636 334.303,263.334 336.995,263.334 v3(337.058,263.271)
MCU_TX: P61.2 P101.6 U63.4 | length 39.7
  Top Layer w0.25: P61.2@326.39,273.431 325.365,272.406 325.365,265.82 326.009,265.176 331.089,265.176 331.47,264.795 331.47,262.89 331.781,262.579 334.575,262.579 v1(334.645,262.509) ; v1(333.883,259.588) 333.883,260.731 334.645,261.493 v1(334.645,262.509) ; U63.4@336.748,269.916 335.448,269.916 334.645,269.113 v1(334.645,262.509)
  Bottom Layer w0.25: v1(333.883,259.588) 333.883,256.159 334.518,255.524 P101.6@337.82,255.524
NetBOOT0_2: BOOT0.2 R3.2 | length 2.7
  Bottom Layer w0.25: BOOT0.2@357.251,226.06 R3.2@357.251,228.724
NetC3_1: C3.1 C5.2 FB1.2 U2.2 | length 21.4
  Top Layer w0.5: U2.2@372.15,240.284 FB1.2@368.557,240.284 C5.2@368.557,237.617 368.557,236.471 369.062,235.966 369.062,232.791 369.443,232.41 C3.1@373.22,232.41 ; U2.2@372.181,240.253 U2.2@377.981,240.253
NetC13_2: C13.2 U4.5 | length 3.9
  Bottom Layer w0.25: U4.5@329.819,217.932 C13.2@333.753,217.932
NetC14_2: C14.2 U4.6 | length 3.9
  Bottom Layer w0.25: U4.6@329.822,215.395 C14.2@333.756,215.395
NetC54_2: C54.2 C76.2 C787.2 FB10.1 U63.19 | length 14.9
  Top Layer w0.3: v1(328.168,267.462) 328.295,267.589 328.295,268.351 328.56,268.616 U63.19@329.748,268.616
  Bottom Layer w0.3: C787.2@331.467,264.795 C54.2@329.187,264.795 329.187,267.205 328.93,267.462 v1(328.168,267.462) 328.168,269.999 C76.2@329.311,271.142 FB10.1@331.724,271.142